# Altium PCB 全兼容主控.PCBDOC (part 4 of 9)
Units mil, origin at the board's own origin, x right, y up, seen from the top; angles counter-clockwise.
Board outline 7562.36 x 15046.55 mil, 2 copper layers (TopLayer, BottomLayer); 375 components, 257 nets, 1094 pads, 839 vias.
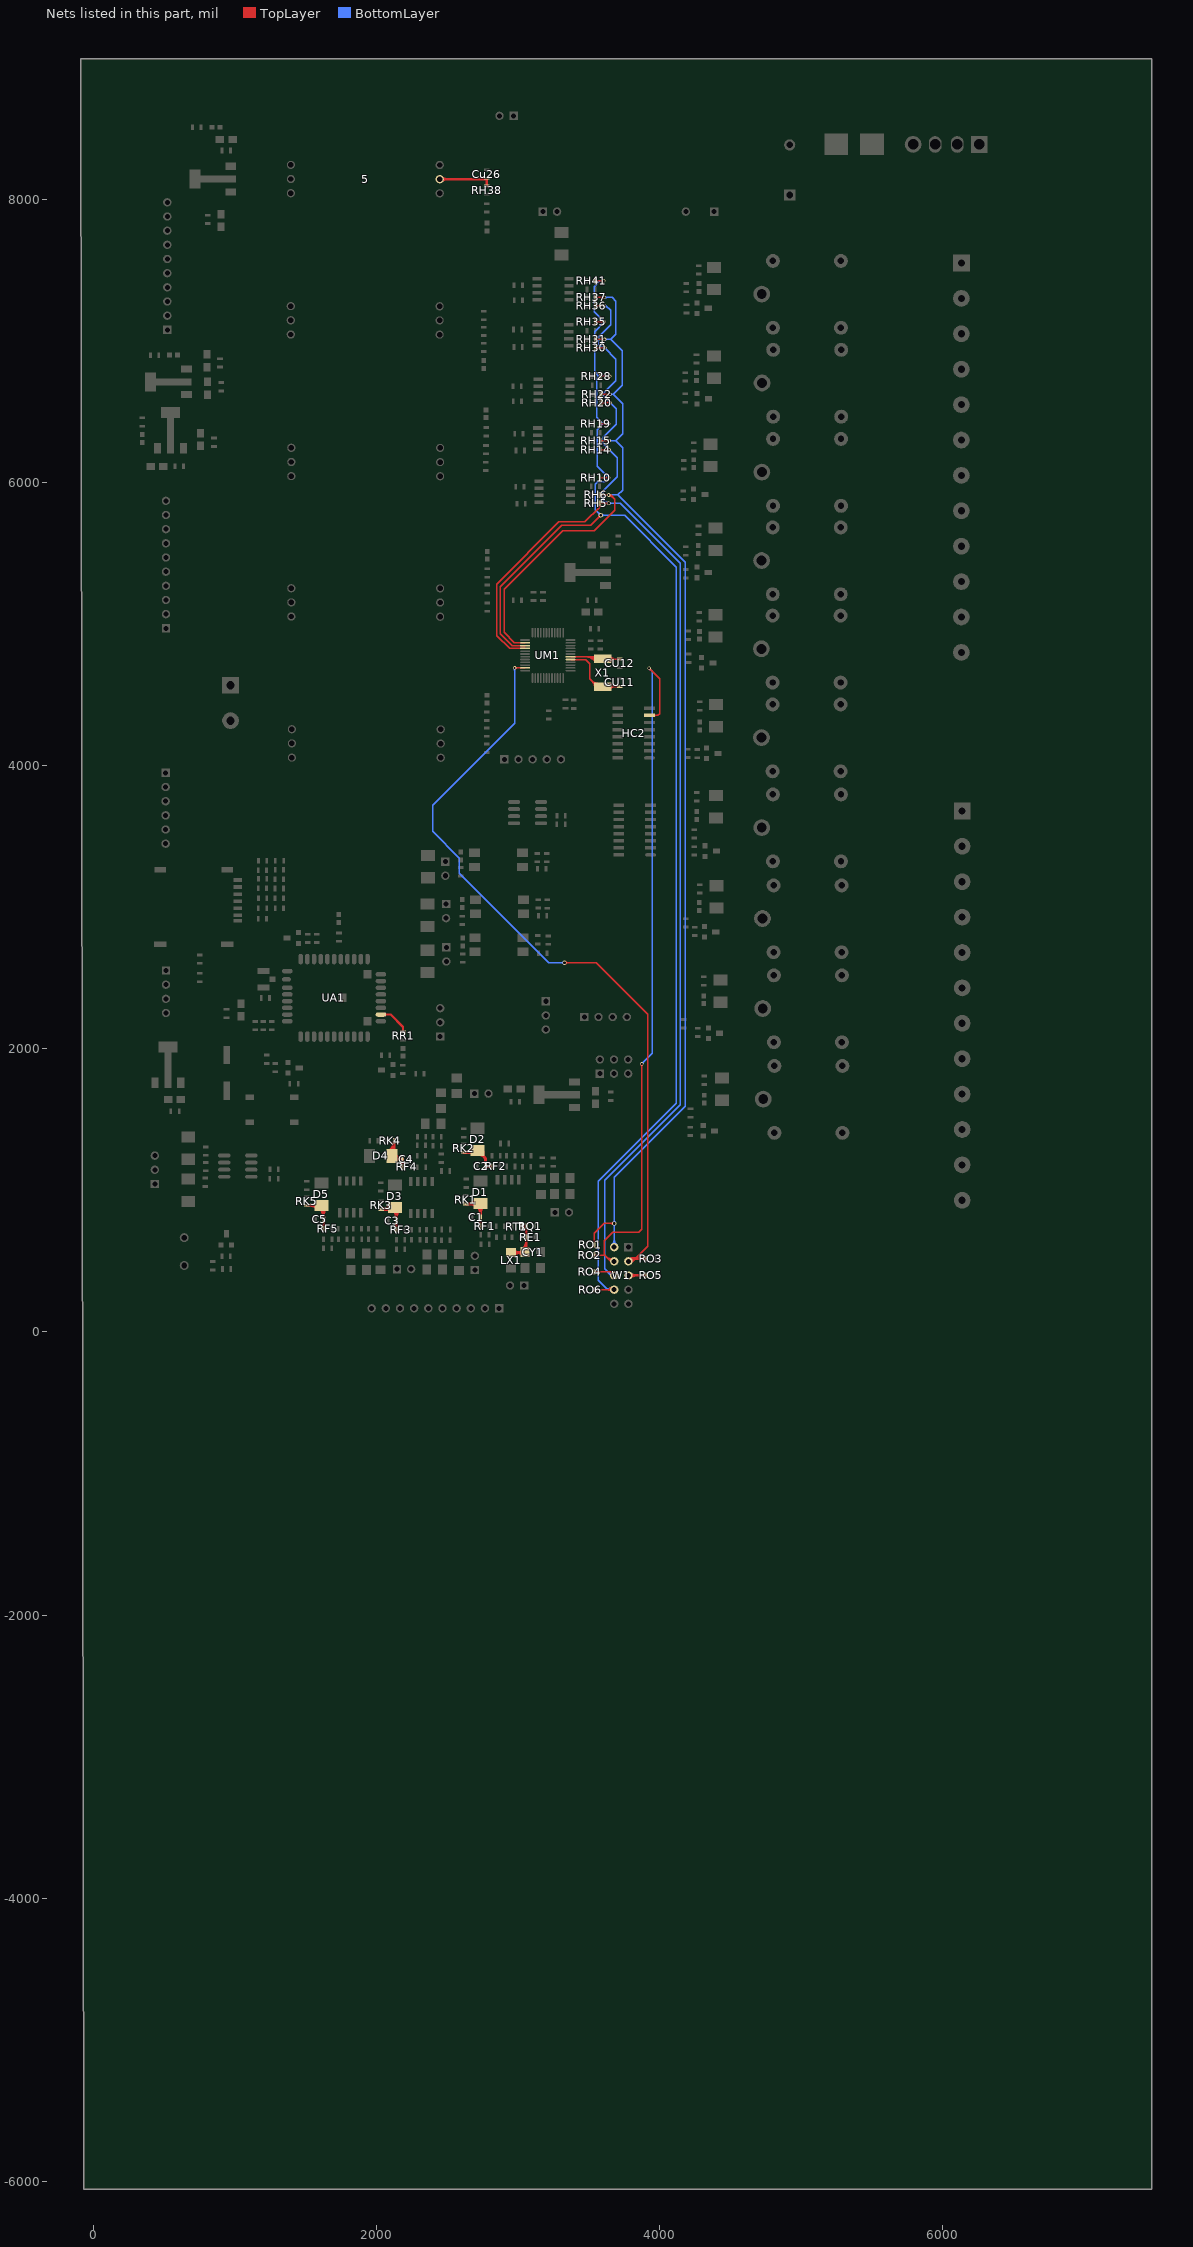
[diagram p4: the nets of this part, all layers, seen from the top]

## Via types
v1: diameter 30, hole 20, TopLayer to BottomLayer, 758 vias
v2: diameter 25, hole 15, TopLayer to BottomLayer, 81 vias

## Nets (pads, with @x,y where several pads share a name; then routed paths per layer and width w, separated by ;. In a path a pad name is that pad's centre, name@x,y a point inside that pad or via, vN(x,y) a via of type N, cw(c..) or ccw(c..) an arc to the next point about the centre after c; other vN are vias at no path point) (continued)
Net5_5: 5.5 Cu26.1 RH38.1 | length 657.9
  TopLayer w20: 5.5@2446.98,8140.93 2773.19,8140.93 Cu26.1@2779.82,8147.55 2779.82,8094.09 RH38.1@2779.6,8093.88 ; 5.5@2460.41,8127.49 cw(c2492.85,8095.06) 2492.85,8140.93 ; 5.5@2460.41,8127.49 cw(c2492.85,8095.06) 2492.85,8140.93 ; 5.5@2460.41,8127.49 cw(c2492.85,8095.06) 2492.85,8140.93 ; 5.5@2460.41,8154.36 ccw(c2492.85,8186.8) 2492.85,8140.93 ; 5.5@2460.41,8154.36 ccw(c2492.85,8186.8) 2492.85,8140.93 ; 5.5@2460.41,8154.36 ccw(c2492.85,8186.8) 2492.85,8140.93 ; 2754.36,8140.93 ccw(c2754.36,8163.17) Cu26.1@2770.08,8147.44 ; 2754.36,8140.93 ccw(c2754.36,8163.17) Cu26.1@2770.08,8147.44 ; 2754.36,8140.93 ccw(c2754.36,8163.17) Cu26.1@2770.08,8147.44
NET-INT: RO3.2 UM1.35 W1.3 | length 6549.7
  TopLayer w10: v2(2975.92,4689.3) UM1.35@3050.27,4689.3 ; v1(3329.25,2606.98) 3552.32,2606.98 3916.92,2242.39 3916.92,604.19 3829.71,516.98 ; W1.3@3779.8,498.06 3810.79,498.06 ; v2@2981.23,4684 cw(c2994.03,4671.2) 2994.03,4689.3 ; v2@2981.23,4684 cw(c2994.03,4671.2) 2994.03,4689.3 ; v2@2981.23,4684 cw(c2994.03,4671.2) 2994.03,4689.3 ; v2@2981.23,4694.61 ccw(c2994.03,4707.41) 2994.03,4689.3 ; v2@2981.23,4694.61 ccw(c2994.03,4707.41) 2994.03,4689.3 ; v2@2981.23,4694.61 ccw(c2994.03,4707.41) 2994.03,4689.3 ; v1@3336.32,2599.91 cw(c3353.4,2582.84) 3353.4,2606.98 ; v1@3336.32,2599.91 cw(c3353.4,2582.84) 3353.4,2606.98 ; v1@3336.32,2599.91 cw(c3353.4,2582.84) 3353.4,2606.98 ; v1@3336.32,2614.05 ccw(c3353.4,2631.12) 3353.4,2606.98 ; v1@3336.32,2614.05 ccw(c3353.4,2631.12) 3353.4,2606.98 ; v1@3336.32,2614.05 ccw(c3353.4,2631.12) 3353.4,2606.98 ; W1.3@3782.85,501.41 ccw(c3798.47,518.57) 3814.89,502.16 ; W1.3@3782.85,501.41 ccw(c3798.47,518.57) 3814.89,502.16 ; W1.3@3782.85,501.41 ccw(c3798.47,518.57) 3814.89,502.16 ; W1.3@3789.58,508.8 ccw(c3805.54,526.33) 3822.3,509.57 ; W1.3@3789.58,508.8 ccw(c3805.54,526.33) 3822.3,509.57 ; W1.3@3789.58,508.8 ccw(c3805.54,526.33) 3822.3,509.57 ; W1.3@3796.31,516.2 ccw(c3812.6,534.09) 3829.71,516.98 ; W1.3@3796.31,516.2 ccw(c3812.6,534.09) 3829.71,516.98 ; W1.3@3796.31,516.2 ccw(c3812.6,534.09) 3829.71,516.98 ; W1.3@3803.67,492.43 cw(c3810.79,490.75) 3810.79,498.06 ; W1.3@3803.67,492.43 cw(c3810.79,490.75) 3810.79,498.06 ; W1.3@3803.67,492.43 cw(c3810.79,490.75) 3810.79,498.06 ; W1.3@3803.67,503.69 ccw(c3810.79,505.37) 3810.79,498.06 ; W1.3@3803.67,503.69 ccw(c3810.79,505.37) 3810.79,498.06 ; W1.3@3803.67,503.69 ccw(c3810.79,505.37) 3810.79,498.06 ; 3810.79,498.06 3829.71,516.98
  TopLayer w20: W1.3@3779.8,498.06 3798.72,516.98 3829.71,516.98 ; RO3.2@3907.98,516.98 3829.71,516.98 ; W1.3@3779.34,498.18 cw(c3803.74,491.75) 3803.74,516.98 ; W1.3@3779.34,498.18 cw(c3803.74,491.75) 3803.74,516.98 ; W1.3@3779.34,498.18 cw(c3803.74,491.75) 3803.74,516.98 ; W1.3@3798.68,493.08 cw(c3829.7,484.9) 3829.7,516.98 ; W1.3@3798.68,493.08 cw(c3829.7,484.9) 3829.7,516.98 ; W1.3@3798.68,493.08 cw(c3829.7,484.9) 3829.7,516.98
  BottomLayer w10: v2(2975.92,4689.3) 2975.92,4299.07 2396.67,3719.81 2396.67,3534.47 2584.98,3346.15 2584.98,3240.09 3218.1,2606.98 v1(3329.25,2606.98) ; v2@2970.62,4684 cw(c2957.82,4671.2) 2975.92,4671.2 ; v2@2970.62,4684 cw(c2957.82,4671.2) 2975.92,4671.2 ; v2@2970.62,4684 cw(c2957.82,4671.2) 2975.92,4671.2 ; 2975.92,4671.2 cw(c2994.03,4671.2) v2@2981.23,4684 ; 2975.92,4671.2 cw(c2994.03,4671.2) v2@2981.23,4684 ; 2975.92,4671.2 cw(c2994.03,4671.2) v2@2981.23,4684 ; 3305.11,2606.98 cw(c3305.11,2582.84) v1@3322.18,2599.91 ; 3305.11,2606.98 ccw(c3305.11,2631.12) v1@3322.18,2614.05 ; 3305.11,2606.98 cw(c3305.11,2582.84) v1@3322.18,2599.91 ; 3305.11,2606.98 ccw(c3305.11,2631.12) v1@3322.18,2614.05 ; 3305.11,2606.98 cw(c3305.11,2582.84) v1@3322.18,2599.91 ; 3305.11,2606.98 ccw(c3305.11,2631.12) v1@3322.18,2614.05
NET-MISO: RH10.1 RH19.1 RH28.1 RH35.1 RH41.1 RO6.1 UM1.27 W1.8 | length 12480.9
  TopLayer w10: UM1.27@3050.27,4846.78 2957.82,4846.78 2874.64,4929.97 2874.64,5261.56 3308.85,5695.77 3513.35,5695.77 v1(3584.8,5767.23) ; RO6.1@3538.23,296.16 3677.89,296.16 W1.8@3679.8,298.06 ; RH35.1@3545.37,7132.44 v2(3608.9,7132.44) ; RH41.1@3545.7,7422.8 v2(3605.91,7422.8) ; RH10.1@3577.48,6032.48 v2(3641.01,6032.48) ; RH19.1@3578.52,6414.44 v2(3642.05,6414.44) ; RH28.1@3583.67,6748.4 v2(3647.2,6748.4) ; RO6.1@3541.65,292.73 cw(c3549.92,284.46) 3549.92,296.16 ; RO6.1@3541.65,292.73 cw(c3549.92,284.46) 3549.92,296.16 ; RO6.1@3541.65,292.73 cw(c3549.92,284.46) 3549.92,296.16 ; RO6.1@3541.65,299.58 ccw(c3549.92,307.85) 3549.92,296.15 ; RO6.1@3541.65,299.58 ccw(c3549.92,307.85) 3549.92,296.15 ; RO6.1@3541.65,299.58 ccw(c3549.92,307.85) 3549.92,296.15 ; RH35.1@3548.79,7129.02 cw(c3557.06,7120.75) 3557.06,7132.44 ; RH35.1@3548.79,7129.02 cw(c3557.06,7120.75) 3557.06,7132.44 ; RH35.1@3548.79,7129.02 cw(c3557.06,7120.75) 3557.06,7132.44 ; RH35.1@3548.79,7135.87 ccw(c3557.06,7144.13) 3557.06,7132.44 ; RH35.1@3548.79,7135.87 ccw(c3557.06,7144.13) 3557.06,7132.44 ; RH35.1@3548.79,7135.87 ccw(c3557.06,7144.13) 3557.06,7132.44 ; RH41.1@3549.12,7419.37 cw(c3557.39,7411.11) 3557.39,7422.8 ; RH41.1@3549.12,7419.37 cw(c3557.39,7411.11) 3557.39,7422.8 ; RH41.1@3549.12,7419.37 cw(c3557.39,7411.11) 3557.39,7422.8 ; RH41.1@3549.12,7426.22 ccw(c3557.39,7434.49) 3557.39,7422.8 ; RH41.1@3549.12,7426.22 ccw(c3557.39,7434.49) 3557.39,7422.8 ; RH41.1@3549.12,7426.22 ccw(c3557.39,7434.49) 3557.39,7422.8 ; 3567.73,5750.16 cw(c3584.8,5733.09) v1@3584.8,5757.23 ; 3567.73,5750.16 ccw(c3550.66,5767.23) v1@3574.8,5767.23 ; 3567.73,5750.16 cw(c3584.8,5733.09) v1@3584.8,5757.23 ; 3567.73,5750.16 ccw(c3550.66,5767.23) v1@3574.8,5767.23 ; 3567.73,5750.16 cw(c3584.8,5733.09) v1@3584.8,5757.23 ; 3567.73,5750.16 ccw(c3550.66,5767.23) v1@3574.8,5767.23 ; RH10.1@3580.9,6029.06 cw(c3589.17,6020.79) 3589.17,6032.48 ; RH10.1@3580.9,6029.06 cw(c3589.17,6020.79) 3589.17,6032.48 ; RH10.1@3580.9,6029.06 cw(c3589.17,6020.79) 3589.17,6032.48 ; RH10.1@3580.9,6035.91 ccw(c3589.17,6044.17) 3589.17,6032.48 ; RH10.1@3580.9,6035.91 ccw(c3589.17,6044.17) 3589.17,6032.48 ; RH10.1@3580.9,6035.91 ccw(c3589.17,6044.17) 3589.17,6032.48 ; RH19.1@3581.95,6411.01 cw(c3590.21,6402.75) 3590.21,6414.44 ; RH19.1@3581.95,6411.01 cw(c3590.21,6402.75) 3590.21,6414.44 ; RH19.1@3581.95,6411.01 cw(c3590.21,6402.75) 3590.21,6414.44 ; RH19.1@3581.95,6417.86 ccw(c3590.21,6426.13) 3590.21,6414.44 ; RH19.1@3581.95,6417.86 ccw(c3590.21,6426.13) 3590.21,6414.44 ; RH19.1@3581.95,6417.86 ccw(c3590.21,6426.13) 3590.21,6414.44 ; RH28.1@3587.09,6744.98 cw(c3595.36,6736.71) 3595.36,6748.4 ; RH28.1@3587.09,6744.98 cw(c3595.36,6736.71) 3595.36,6748.4 ; RH28.1@3587.09,6744.98 cw(c3595.36,6736.71) 3595.36,6748.4 ; RH28.1@3587.09,6751.83 ccw(c3595.36,6760.09) 3595.36,6748.4 ; RH28.1@3587.09,6751.83 ccw(c3595.36,6760.09) 3595.36,6748.4 ; RH28.1@3587.09,6751.83 ccw(c3595.36,6760.09) 3595.36,6748.4 ; 3587.8,7422.8 cw(c3587.8,7404.69) v2@3600.6,7417.49 ; 3587.8,7422.8 ccw(c3587.8,7440.9) v2@3600.6,7428.1 ; 3587.8,7422.8 cw(c3587.8,7404.69) v2@3600.6,7417.49 ; 3587.8,7422.8 ccw(c3587.8,7440.9) v2@3600.6,7428.1 ; 3587.8,7422.8 cw(c3587.8,7404.69) v2@3600.6,7417.49 ; 3587.8,7422.8 ccw(c3587.8,7440.9) v2@3600.6,7428.1 ; 3590.79,7132.44 cw(c3590.79,7114.33) v2@3603.59,7127.14 ; 3590.79,7132.44 ccw(c3590.79,7150.55) v2@3603.59,7137.74 ; 3590.79,7132.44 cw(c3590.79,7114.33) v2@3603.59,7127.14 ; 3590.79,7132.44 ccw(c3590.79,7150.55) v2@3603.59,7137.74 ; 3590.79,7132.44 cw(c3590.79,7114.33) v2@3603.59,7127.14 ; 3590.79,7132.44 ccw(c3590.79,7150.55) v2@3603.59,7137.74 ; 3615.98,296.15 ccw(c3615.98,361.88) W1.8@3662.46,315.41 ; 3615.98,296.15 ccw(c3615.98,361.88) W1.8@3662.46,315.41 ; 3615.98,296.15 ccw(c3615.98,361.88) W1.8@3662.46,315.41 ; 3622.9,6032.48 cw(c3622.9,6014.38) v2@3635.7,6027.18 ; 3622.9,6032.48 ccw(c3622.9,6050.59) v2@3635.7,6037.79 ; 3622.9,6032.48 cw(c3622.9,6014.38) v2@3635.7,6027.18 ; 3622.9,6032.48 ccw(c3622.9,6050.59) v2@3635.7,6037.79 ; 3622.9,6032.48 cw(c3622.9,6014.38) v2@3635.7,6027.18 ; 3622.9,6032.48 ccw(c3622.9,6050.59) v2@3635.7,6037.79 ; 3623.94,6414.44 cw(c3623.94,6396.33) v2@3636.75,6409.13 ; 3623.94,6414.44 ccw(c3623.94,6432.54) v2@3636.75,6419.74 ; 3623.94,6414.44 cw(c3623.94,6396.33) v2@3636.75,6409.13 ; 3623.94,6414.44 ccw(c3623.94,6432.54) v2@3636.75,6419.74 ; 3623.94,6414.44 cw(c3623.94,6396.33) v2@3636.75,6409.13 ; 3623.94,6414.44 ccw(c3623.94,6432.54) v2@3636.75,6419.74 ; 3625.19,296.16 cw(c3625.19,243.45) W1.8@3662.46,280.72 ; 3625.19,296.16 cw(c3625.19,243.45) W1.8@3662.46,280.72 ; 3625.19,296.16 cw(c3625.19,243.45) W1.8@3662.46,280.72 ; 3629.09,6748.4 cw(c3629.09,6730.3) v2@3641.89,6743.1 ; 3629.09,6748.4 ccw(c3629.09,6766.51) v2@3641.89,6753.71 ; 3629.09,6748.4 cw(c3629.09,6730.3) v2@3641.89,6743.1 ; 3629.09,6748.4 ccw(c3629.09,6766.51) v2@3641.89,6753.71 ; 3629.09,6748.4 cw(c3629.09,6730.3) v2@3641.89,6743.1 ; 3629.09,6748.4 ccw(c3629.09,6766.51) v2@3641.89,6753.71 ; 3640.12,296.16 ccw(c3640.12,337.74) W1.8@3669.53,308.33 ; 3640.12,296.16 ccw(c3640.12,337.74) W1.8@3669.53,308.33 ; 3640.12,296.16 ccw(c3640.12,337.74) W1.8@3669.53,308.33 ; 3649.33,296.15 cw(c3649.33,267.59) W1.8@3669.53,287.79 ; 3649.33,296.15 cw(c3649.33,267.59) W1.8@3669.53,287.79 ; 3649.33,296.15 cw(c3649.33,267.59) W1.8@3669.53,287.79
  BottomLayer w10: v2(3605.91,7422.8) 3578.72,7422.8 3537.74,7381.82 3537.74,7203.59 v2(3608.9,7132.44) 3540.45,7063.99 3540.45,6779.92 3571.97,6748.4 ; v2(3642.05,6414.44) 3600.25,6414.44 ; v2(3647.2,6748.4) 3571.97,6748.4 ; W1.8@3679.8,298.06 3672.75,305.12 3626.68,305.12 ; 3567.73,5784.3 cw(c3550.66,5767.23) v1@3574.8,5767.23 ; 3567.73,5784.3 ccw(c3584.8,5801.37) v1@3584.8,5777.23 ; 3567.73,5784.3 cw(c3550.66,5767.23) v1@3574.8,5767.23 ; 3567.73,5784.3 ccw(c3584.8,5801.37) v1@3584.8,5777.23 ; 3567.73,5784.3 cw(c3550.66,5767.23) v1@3574.8,5767.23 ; 3567.73,5784.3 ccw(c3584.8,5801.37) v1@3584.8,5777.23 ; 3571.97,6748.4 3555.76,6732.2 3555.76,6458.92 3600.25,6414.44 ; 3587.8,7422.8 cw(c3587.8,7404.69) v2@3600.6,7417.49 ; 3587.8,7422.8 ccw(c3587.8,7440.9) v2@3600.6,7428.1 ; 3587.8,7422.8 cw(c3587.8,7404.69) v2@3600.6,7417.49 ; 3587.8,7422.8 ccw(c3587.8,7440.9) v2@3600.6,7428.1 ; 3587.8,7422.8 cw(c3587.8,7404.69) v2@3600.6,7417.49 ; 3587.8,7422.8 ccw(c3587.8,7440.9) v2@3600.6,7428.1 ; v1@3591.87,5760.16 cw(c3608.95,5743.09) 3608.95,5767.23 ; v1@3591.87,5760.16 cw(c3608.95,5743.09) 3608.95,5767.23 ; v1@3591.87,5760.16 cw(c3608.95,5743.09) 3608.95,5767.23 ; v1@3591.87,5774.3 ccw(c3608.95,5791.37) 3608.95,5767.23 ; v1@3591.87,5774.3 ccw(c3608.95,5791.37) 3608.95,5767.23 ; v1@3591.87,5774.3 ccw(c3608.95,5791.37) 3608.95,5767.23 ; 3596.09,7119.64 cw(c3608.9,7106.83) v2@3608.9,7124.94 ; 3596.09,7119.64 ccw(c3583.29,7132.44) v2@3601.4,7132.44 ; 3596.09,7119.64 cw(c3608.9,7106.83) v2@3608.9,7124.94 ; 3596.09,7119.64 ccw(c3583.29,7132.44) v2@3601.4,7132.44 ; 3596.09,7119.64 cw(c3608.9,7106.83) v2@3608.9,7124.94 ; 3596.09,7119.64 ccw(c3583.29,7132.44) v2@3601.4,7132.44 ; 3596.09,7145.24 cw(c3583.29,7132.44) v2@3601.4,7132.44 ; 3596.09,7145.24 ccw(c3608.9,7158.05) v2@3608.9,7139.94 ; 3596.09,7145.24 cw(c3583.29,7132.44) v2@3601.4,7132.44 ; 3596.09,7145.24 ccw(c3608.9,7158.05) v2@3608.9,7139.94 ; 3596.09,7145.24 cw(c3583.29,7132.44) v2@3601.4,7132.44 ; 3596.09,7145.24 ccw(c3608.9,7158.05) v2@3608.9,7139.94 ; 3600.25,6414.44 3558.47,6372.65 3558.47,6115.02 v2(3641.01,6032.48) 3612.03,6003.51 3564,6003.51 3545.5,5985.01 3545.5,5806.53 v1(3584.8,5767.23) 3752.55,5767.23 4118.38,5401.4 4118.38,1613.93 3567.8,1063.35 3567.8,363.99 3626.68,305.12 ; 3623.94,6414.44 cw(c3623.94,6396.33) v2@3636.75,6409.13 ; 3623.94,6414.44 ccw(c3623.94,6432.54) v2@3636.75,6419.74 ; 3623.94,6414.44 cw(c3623.94,6396.33) v2@3636.75,6409.13 ; 3623.94,6414.44 ccw(c3623.94,6432.54) v2@3636.75,6419.74 ; 3623.94,6414.44 cw(c3623.94,6396.33) v2@3636.75,6409.13 ; 3623.94,6414.44 ccw(c3623.94,6432.54) v2@3636.75,6419.74 ; 3626.68,305.12 cw(c3626.68,269.18) W1.8@3658.25,286.35 ; 3626.68,305.12 cw(c3626.68,269.18) W1.8@3658.25,286.35 ; 3626.68,305.12 cw(c3626.68,269.18) W1.8@3658.25,286.35 ; 3628.2,6019.68 cw(c3641.01,6006.88) v2@3641.01,6024.98 ; 3628.2,6019.68 ccw(c3615.4,6032.48) v2@3633.51,6032.48 ; 3628.2,6019.68 cw(c3641.01,6006.88) v2@3641.01,6024.98 ; 3628.2,6019.68 ccw(c3615.4,6032.48) v2@3633.51,6032.48 ; 3628.2,6019.68 cw(c3641.01,6006.88) v2@3641.01,6024.98 ; 3628.2,6019.68 ccw(c3615.4,6032.48) v2@3633.51,6032.48 ; 3628.2,6045.29 cw(c3615.4,6032.48) v2@3633.51,6032.48 ; 3628.2,6045.29 ccw(c3641.01,6058.09) v2@3641.01,6039.98 ; 3628.2,6045.29 cw(c3615.4,6032.48) v2@3633.51,6032.48 ; 3628.2,6045.29 ccw(c3641.01,6058.09) v2@3641.01,6039.98 ; 3628.2,6045.29 cw(c3615.4,6032.48) v2@3633.51,6032.48 ; 3628.2,6045.29 ccw(c3641.01,6058.09) v2@3641.01,6039.98 ; 3629.09,6748.4 cw(c3629.09,6730.3) v2@3641.89,6743.1 ; 3629.09,6748.4 ccw(c3629.09,6766.51) v2@3641.89,6753.71 ; 3629.09,6748.4 cw(c3629.09,6730.3) v2@3641.89,6743.1 ; 3629.09,6748.4 ccw(c3629.09,6766.51) v2@3641.89,6753.71 ; 3629.09,6748.4 cw(c3629.09,6730.3) v2@3641.89,6743.1 ; 3629.09,6748.4 ccw(c3629.09,6766.51) v2@3641.89,6753.71 ; 3637.62,305.12 ccw(c3637.62,340.24) W1.8@3662.46,315.41 ; 3637.62,305.12 ccw(c3637.62,340.24) W1.8@3662.46,315.41 ; 3637.62,305.12 ccw(c3637.62,340.24) W1.8@3662.46,315.41 ; 3643.5,305.12 cw(c3643.5,278.32) W1.8@3667.04,291.12 ; 3643.5,305.12 cw(c3643.5,278.32) W1.8@3667.04,291.12 ; 3643.5,305.12 cw(c3643.5,278.32) W1.8@3667.04,291.12
NET-MOSI: RH5.1 RH14.1 RH20.1 RH30.1 RH36.1 RO4.1 UM1.28 W1.6 | length 12202
  TopLayer w10: UM1.28@3050.27,4827.1 2940.37,4827.1 2850.56,4916.91 2850.56,5281.74 3288.76,5719.94 3472.23,5719.94 3577.78,5825.49 RH5.1@3577.78,5852.25 v2(3641.31,5852.25) ; RO4.1@3536.41,422.98 3654.89,422.98 ; RH36.1@3546.54,7248.47 v2(3610.06,7248.47) ; RH30.1@3547.86,6950.14 v2(3611.39,6950.14) ; RH14.1@3580.2,6230.8 v2(3643.73,6230.8) ; RH20.1@3586.96,6562.92 v2(3650.49,6562.92) ; W1.6@3679.8,398.06 3654.89,422.98 ; RO4.1@3539.83,419.55 cw(c3548.1,411.29) 3548.1,422.98 ; RO4.1@3539.83,419.55 cw(c3548.1,411.29) 3548.1,422.98 ; RO4.1@3539.83,419.55 cw(c3548.1,411.29) 3548.1,422.98 ; RO4.1@3539.83,426.4 ccw(c3548.1,434.67) 3548.1,422.98 ; RO4.1@3539.83,426.4 ccw(c3548.1,434.67) 3548.1,422.98 ; RO4.1@3539.83,426.4 ccw(c3548.1,434.67) 3548.1,422.98 ; RH36.1@3549.96,7245.05 cw(c3558.23,7236.78) 3558.23,7248.47 ; RH36.1@3549.96,7245.05 cw(c3558.23,7236.78) 3558.23,7248.47 ; RH36.1@3549.96,7245.05 cw(c3558.23,7236.78) 3558.23,7248.47 ; RH36.1@3549.96,7251.9 ccw(c3558.23,7260.16) 3558.23,7248.47 ; RH36.1@3549.96,7251.9 ccw(c3558.23,7260.16) 3558.23,7248.47 ; RH36.1@3549.96,7251.9 ccw(c3558.23,7260.16) 3558.23,7248.47 ; RH30.1@3551.29,6946.72 cw(c3559.56,6938.45) 3559.56,6950.14 ; RH30.1@3551.29,6946.72 cw(c3559.56,6938.45) 3559.56,6950.14 ; RH30.1@3551.29,6946.72 cw(c3559.56,6938.45) 3559.56,6950.14 ; RH30.1@3551.29,6953.57 ccw(c3559.56,6961.83) 3559.56,6950.14 ; RH30.1@3551.29,6953.57 ccw(c3559.56,6961.83) 3559.56,6950.14 ; RH30.1@3551.29,6953.57 ccw(c3559.56,6961.83) 3559.56,6950.14 ; RH5.1@3574.36,5838.98 cw(c3566.09,5830.72) 3577.78,5830.72 ; RH5.1@3574.36,5838.98 cw(c3566.09,5830.72) 3577.78,5830.72 ; RH5.1@3574.36,5838.98 cw(c3566.09,5830.72) 3577.78,5830.72 ; 3577.78,5830.72 cw(c3589.48,5830.72) RH5.1@3581.21,5838.98 ; 3577.78,5830.72 cw(c3589.48,5830.72) RH5.1@3581.21,5838.98 ; 3577.78,5830.72 cw(c3589.48,5830.72) RH5.1@3581.21,5838.98 ; RH5.1@3581.21,5848.83 cw(c3589.48,5840.56) 3589.48,5852.25 ; RH5.1@3581.21,5848.83 cw(c3589.48,5840.56) 3589.48,5852.25 ; RH5.1@3581.21,5848.83 cw(c3589.48,5840.56) 3589.48,5852.25 ; RH5.1@3581.21,5855.67 ccw(c3589.48,5863.94) 3589.48,5852.25 ; RH5.1@3581.21,5855.67 ccw(c3589.48,5863.94) 3589.48,5852.25 ; RH5.1@3581.21,5855.67 ccw(c3589.48,5863.94) 3589.48,5852.25 ; RH14.1@3583.62,6227.38 cw(c3591.89,6219.11) 3591.89,6230.8 ; RH14.1@3583.62,6227.38 cw(c3591.89,6219.11) 3591.89,6230.8 ; RH14.1@3583.62,6227.38 cw(c3591.89,6219.11) 3591.89,6230.8 ; RH14.1@3583.62,6234.23 ccw(c3591.89,6242.49) 3591.89,6230.8 ; RH14.1@3583.62,6234.23 ccw(c3591.89,6242.49) 3591.89,6230.8 ; RH14.1@3583.62,6234.23 ccw(c3591.89,6242.49) 3591.89,6230.8 ; RH20.1@3590.39,6559.5 cw(c3598.65,6551.23) 3598.65,6562.92 ; RH20.1@3590.39,6559.5 cw(c3598.65,6551.23) 3598.65,6562.92 ; RH20.1@3590.39,6559.5 cw(c3598.65,6551.23) 3598.65,6562.92 ; RH20.1@3590.39,6566.35 ccw(c3598.65,6574.62) 3598.65,6562.92 ; RH20.1@3590.39,6566.35 ccw(c3598.65,6574.62) 3598.65,6562.92 ; RH20.1@3590.39,6566.35 ccw(c3598.65,6574.62) 3598.65,6562.92 ; 3591.96,7248.47 cw(c3591.96,7230.37) v2@3604.76,7243.17 ; 3591.96,7248.47 ccw(c3591.96,7266.58) v2@3604.76,7253.78 ; 3591.96,7248.47 cw(c3591.96,7230.37) v2@3604.76,7243.17 ; 3591.96,7248.47 ccw(c3591.96,7266.58) v2@3604.76,7253.78 ; 3591.96,7248.47 cw(c3591.96,7230.37) v2@3604.76,7243.17 ; 3591.96,7248.47 ccw(c3591.96,7266.58) v2@3604.76,7253.78 ; 3593.29,6950.14 cw(c3593.29,6932.03) v2@3606.09,6944.84 ; 3593.29,6950.14 ccw(c3593.29,6968.25) v2@3606.09,6955.44 ; 3593.29,6950.14 cw(c3593.29,6932.03) v2@3606.09,6944.84 ; 3593.29,6950.14 ccw(c3593.29,6968.25) v2@3606.09,6955.44 ; 3593.29,6950.14 cw(c3593.29,6932.03) v2@3606.09,6944.84 ; 3593.29,6950.14 ccw(c3593.29,6968.25) v2@3606.09,6955.44 ; 3623.21,5852.25 cw(c3623.21,5834.14) v2@3636.01,5846.95 ; 3623.21,5852.25 ccw(c3623.21,5870.36) v2@3636.01,5857.55 ; 3623.21,5852.25 cw(c3623.21,5834.14) v2@3636.01,5846.95 ; 3623.21,5852.25 ccw(c3623.21,5870.36) v2@3636.01,5857.55 ; 3623.21,5852.25 cw(c3623.21,5834.14) v2@3636.01,5846.95 ; 3623.21,5852.25 ccw(c3623.21,5870.36) v2@3636.01,5857.55 ; 3625.62,6230.8 cw(c3625.62,6212.69) v2@3638.42,6225.5 ; 3625.62,6230.8 ccw(c3625.62,6248.91) v2@3638.42,6236.1 ; 3625.62,6230.8 cw(c3625.62,6212.69) v2@3638.42,6225.5 ; 3625.62,6230.8 ccw(c3625.62,6248.91) v2@3638.42,6236.1 ; 3625.62,6230.8 cw(c3625.62,6212.69) v2@3638.42,6225.5 ; 3625.62,6230.8 ccw(c3625.62,6248.91) v2@3638.42,6236.1 ; 3632.38,6562.92 cw(c3632.38,6544.82) v2@3645.19,6557.62 ; 3632.38,6562.92 ccw(c3632.38,6581.03) v2@3645.19,6568.23 ; 3632.38,6562.92 cw(c3632.38,6544.82) v2@3645.19,6557.62 ; 3632.38,6562.92 ccw(c3632.38,6581.03) v2@3645.19,6568.23 ; 3632.38,6562.92 cw(c3632.38,6544.82) v2@3645.19,6557.62 ; 3632.38,6562.92 ccw(c3632.38,6581.03) v2@3645.19,6568.23 ; 3654.89,422.98 cw(c3645.66,413.75) W1.6@3657.52,408.31 ; 3654.89,422.98 ccw(c3664.11,432.2) W1.6@3669.56,420.35 ; 3654.89,422.98 cw(c3645.66,413.75) W1.6@3657.52,408.31 ; 3654.89,422.98 ccw(c3664.11,432.2) W1.6@3669.56,420.35 ; 3654.89,422.98 cw(c3645.66,413.75) W1.6@3657.52,408.31 ; 3654.89,422.98 ccw(c3664.11,432.2) W1.6@3669.56,420.35
  BottomLayer w10: v2(3610.06,7248.47) 3620.63,7248.47 3653.98,7215.12 3653.98,7112.41 3571.08,7029.51 3571.08,6974.55 3595.49,6950.14 ; W1.6@3679.8,398.06 3656.93,398.06 3611.09,443.91 3611.09,1069.27 4147.17,1605.35 4147.17,5426.88 3721.8,5852.25 3624.75,5852.25 ; 3579.03,6966.59 ccw(c3602.83,6990.39) v2@3609.83,6957.48 ; 3579.03,6966.59 ccw(c3602.83,6990.39) v2@3609.83,6957.48 ; 3579.03,6966.59 ccw(c3602.83,6990.39) v2@3609.83,6957.48 ; 3592.05,6953.58 ccw(c3607.4,6968.92) v2@3611.91,6947.7 ; 3592.05,6953.58 ccw(c3607.4,6968.92) v2@3611.91,6947.7 ; 3592.05,6953.58 ccw(c3607.4,6968.92) v2@3611.91,6947.7 ; 3595.49,6950.14 cw(c3595.49,6937.03) v2@3605.61,6945.37 ; 3595.49,6950.14 ccw(c3595.49,6963.25) v2@3605.61,6954.91 ; 3595.49,6950.14 cw(c3595.49,6937.03) v2@3605.61,6945.37 ; 3595.49,6950.14 ccw(c3595.49,6963.25) v2@3605.61,6954.91 ; 3595.49,6950.14 cw(c3595.49,6937.03) v2@3605.61,6945.37 ; 3595.49,6950.14 ccw(c3595.49,6963.25) v2@3605.61,6954.91 ; 3595.49,6950.14 v2(3611.39,6950.14) 3690.92,6870.61 3690.92,6718.65 3602.62,6630.35 3602.62,6610.8 3694.52,6518.89 3694.52,6410.5 3601.72,6317.69 3601.72,6272.81 3702.63,6171.89 3702.63,6040.17 3601.72,5939.25 3601.72,5875.28 3624.75,5852.25 ; 3610,5866.99 ccw(c3631.01,5888) v2@3639.24,5859.46 ; 3610,5866.99 ccw(c3631.01,5888) v2@3639.24,5859.46 ; 3610,5866.99 ccw(c3631.01,5888) v2@3639.24,5859.46 ; v2@3610.06,7240.97 cw(c3610.06,7197.36) 3640.9,7228.2 ; v2@3610.06,7240.97 cw(c3610.06,7197.36) 3640.9,7228.2 ; v2@3610.06,7240.97 cw(c3610.06,7197.36) 3640.9,7228.2 ; v2@3610.06,7250.97 cw(c3610.06,7231.5) 3623.83,7245.27 ; v2@3610.06,7250.97 cw(c3610.06,7231.5) 3623.83,7245.27 ; v2@3610.06,7250.97 cw(c3610.06,7231.5) 3623.83,7245.27 ; v2@3611.39,6942.64 cw(c3611.39,6924.53) 3624.2,6937.34 ; v2@3611.39,6942.64 cw(c3611.39,6924.53) 3624.2,6937.34 ; v2@3611.39,6942.64 cw(c3611.39,6924.53) 3624.2,6937.34 ; v2@3618.89,6950.14 ccw(c3637,6950.14) 3624.2,6937.34 ; v2@3618.89,6950.14 ccw(c3637,6950.14) 3624.2,6937.34 ; v2@3618.89,6950.14 ccw(c3637,6950.14) 3624.2,6937.34 ; 3621.99,5855.01 ccw(c3636.37,5869.39) v2@3642.01,5849.85 ; 3621.99,5855.01 ccw(c3636.37,5869.39) v2@3642.01,5849.85 ; 3621.99,5855.01 ccw(c3636.37,5869.39) v2@3642.01,5849.85 ; 3622.52,432.47 ccw(c3656.08,466.03) W1.6@3671.72,421.22 ; 3622.52,432.47 ccw(c3656.08,466.03) W1.6@3671.72,421.22 ; 3622.52,432.47 ccw(c3656.08,466.03) W1.6@3671.72,421.22 ; 3624.75,5852.25 cw(c3624.75,5837.7) v2@3635.68,5847.3 ; 3624.75,5852.25 ccw(c3624.75,5866.8) v2@3635.68,5857.2 ; 3624.75,5852.25 cw(c3624.75,5837.7) v2@3635.68,5847.3 ; 3624.75,5852.25 ccw(c3624.75,5866.8) v2@3635.68,5857.2 ; 3624.75,5852.25 cw(c3624.75,5837.7) v2@3635.68,5847.3 ; 3624.75,5852.25 ccw(c3624.75,5866.8) v2@3635.68,5857.2 ; 3630.92,6243.6 cw(c3618.12,6230.8) v2@3636.23,6230.8 ; 3630.92,6243.6 ccw(c3643.73,6256.41) v2@3643.73,6238.3 ; 3630.92,6243.6 cw(c3618.12,6230.8) v2@3636.23,6230.8 ; 3630.92,6243.6 ccw(c3643.73,6256.41) v2@3643.73,6238.3 ; 3630.92,6243.6 cw(c3618.12,6230.8) v2@3636.23,6230.8 ; 3630.92,6243.6 ccw(c3643.73,6256.41) v2@3643.73,6238.3 ; 3633.79,421.21 ccw(c3661.91,449.33) W1.6@3675.01,411.78 ; 3633.79,421.21 ccw(c3661.91,449.33) W1.6@3675.01,411.78 ; 3633.79,421.21 ccw(c3661.91,449.33) W1.6@3675.01,411.78 ; 3637.69,6575.73 cw(c3624.88,6562.92) v2@3642.99,6562.92 ; 3637.69,6575.73 ccw(c3650.49,6588.53) v2@3650.49,6570.42 ; 3637.69,6575.73 cw(c3624.88,6562.92) v2@3642.99,6562.92 ; 3637.69,6575.73 ccw(c3650.49,6588.53) v2@3650.49,6570.42 ; 3637.69,6575.73 cw(c3624.88,6562.92) v2@3642.99,6562.92 ; 3637.69,6575.73 ccw(c3650.49,6588.53) v2@3650.49,6570.42 ; v2@3643.73,6223.3 cw(c3643.73,6205.19) 3656.53,6218 ; v2@3643.73,6223.3 cw(c3643.73,6205.19) 3656.53,6218 ; v2@3643.73,6223.3 cw(c3643.73,6205.19) 3656.53,6218 ; 3645.05,409.94 ccw(c3667.74,432.63) W1.6@3678.31,402.34 ; 3645.05,409.94 ccw(c3667.74,432.63) W1.6@3678.31,402.34 ; 3645.05,409.94 ccw(c3667.74,432.63) W1.6@3678.31,402.34 ; v2@3646.62,5846.95 cw(c3659.42,5834.14) 3659.42,5852.25 ; v2@3646.62,5846.95 cw(c3659.42,5834.14) 3659.42,5852.25 ; v2@3646.62,5846.95 cw(c3659.42,5834.14) 3659.42,5852.25 ; v2@3646.62,5857.55 ccw(c3659.42,5870.36) 3659.42,5852.25 ; v2@3646.62,5857.55 ccw(c3659.42,5870.36) 3659.42,5852.25 ; v2@3646.62,5857.55 ccw(c3659.42,5870.36) 3659.42,5852.25 ; v2@3650.49,6555.42 cw(c3650.49,6537.32) 3663.29,6550.12 ; v2@3650.49,6555.42 cw(c3650.49,6537.32) 3663.29,6550.12 ; v2@3650.49,6555.42 cw(c3650.49,6537.32) 3663.29,6550.12 ; v2@3651.23,6230.8 ccw(c3669.33,6230.8) 3656.53,6218 ; v2@3651.23,6230.8 ccw(c3669.33,6230.8) 3656.53,6218 ; v2@3651.23,6230.8 ccw(c3669.33,6230.8) 3656.53,6218 ; v2@3657.99,6562.92 ccw(c3676.1,6562.92) 3663.29,6550.12 ; v2@3657.99,6562.92 ccw(c3676.1,6562.92) 3663.29,6550.12 ; v2@3657.99,6562.92 ccw(c3676.1,6562.92) 3663.29,6550.12